# KiCad board RUSP_Mainboard.kicad_pcb
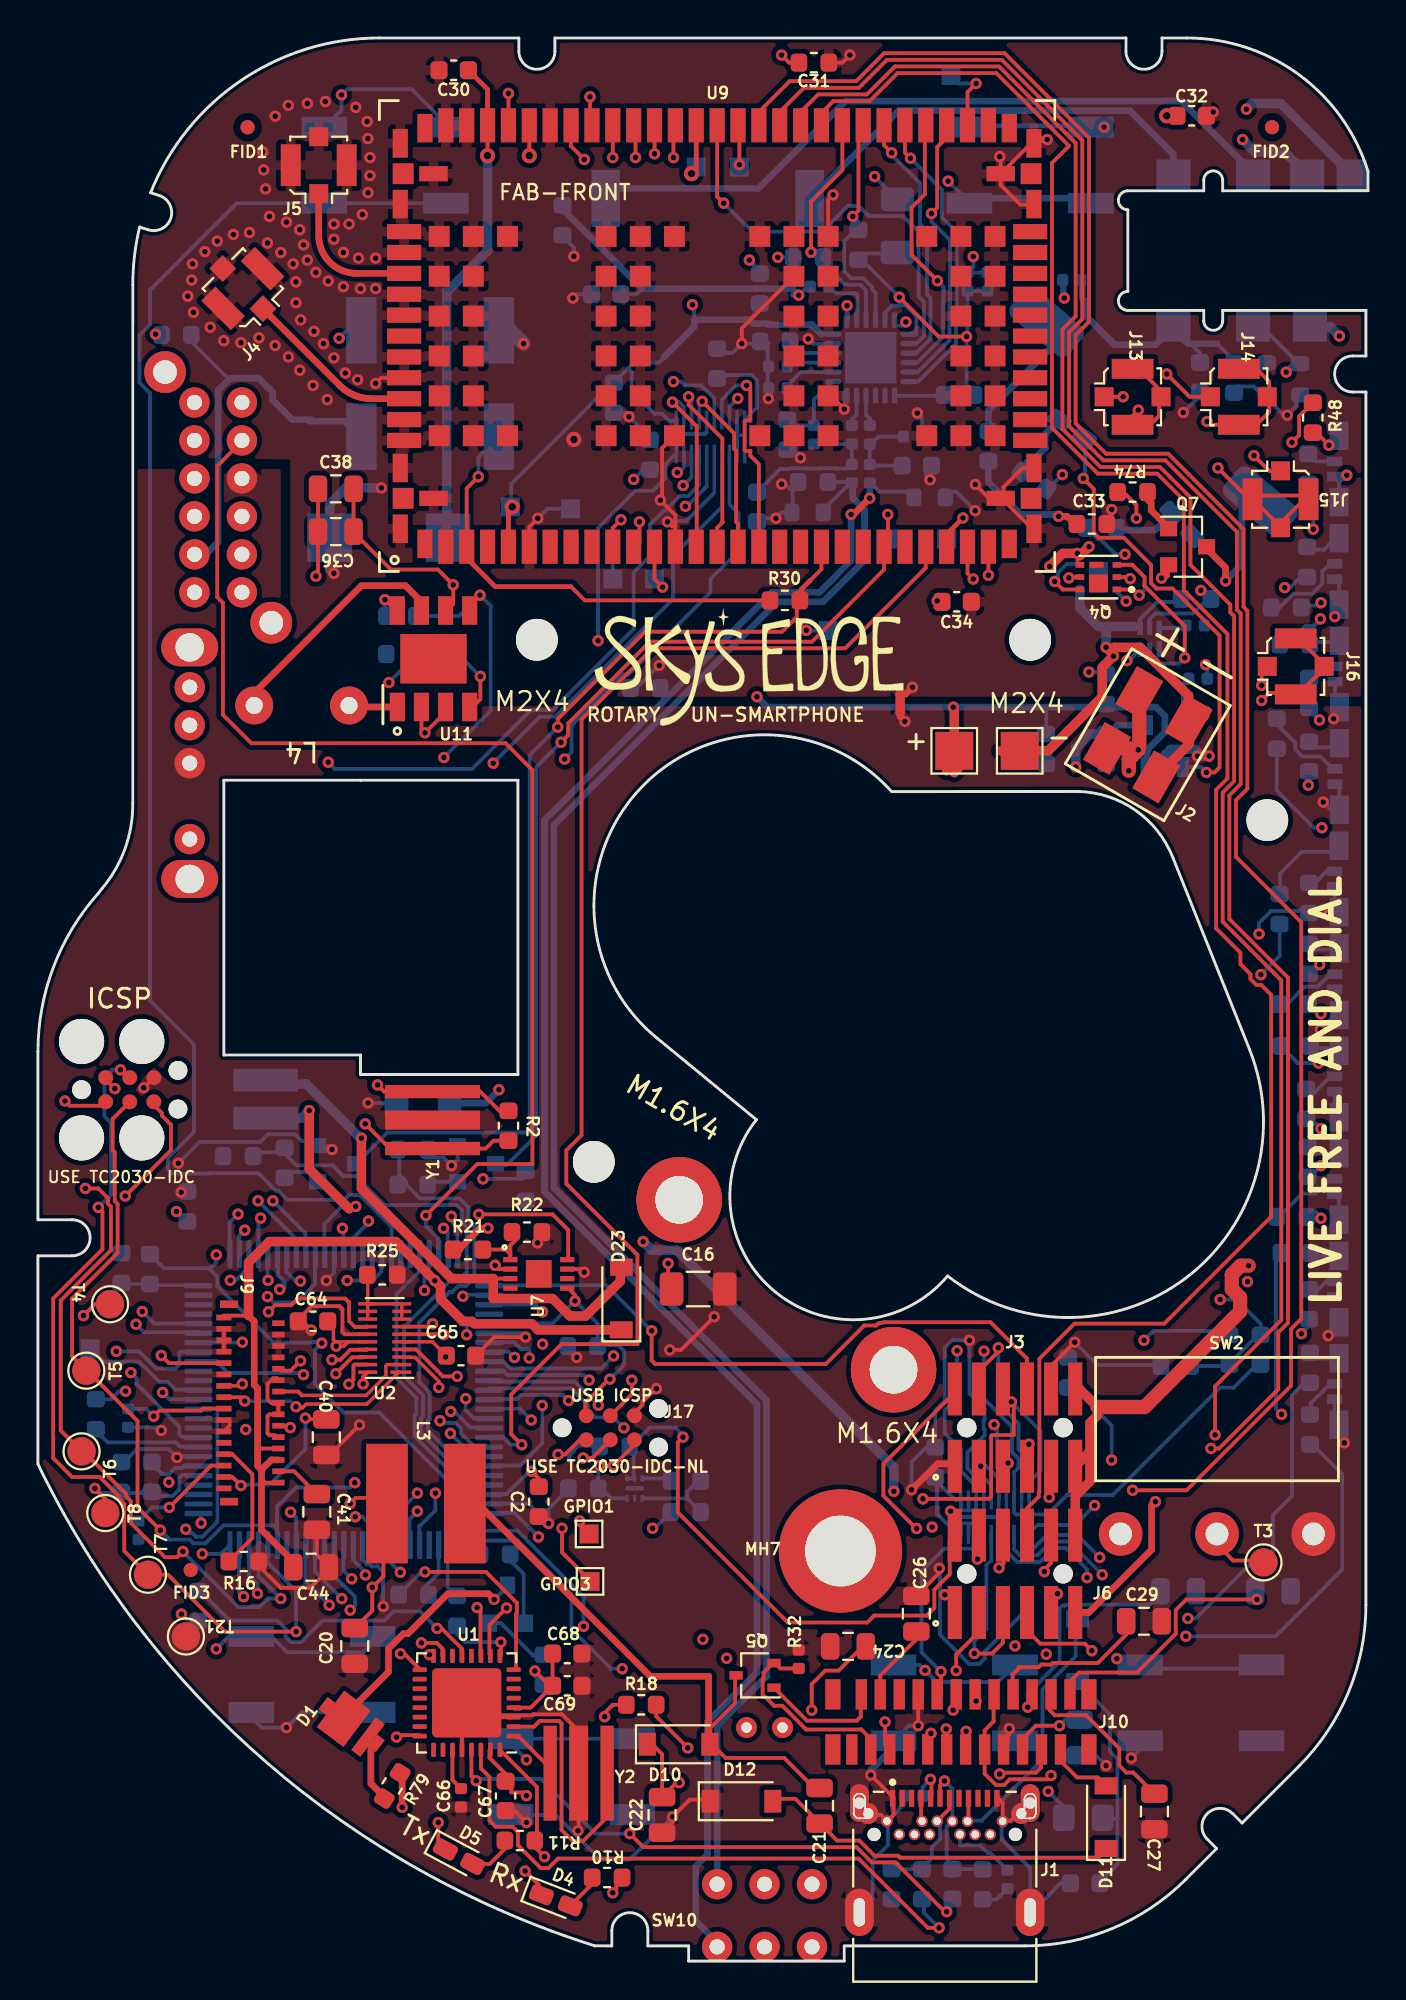
[diagram p0: board, top side]
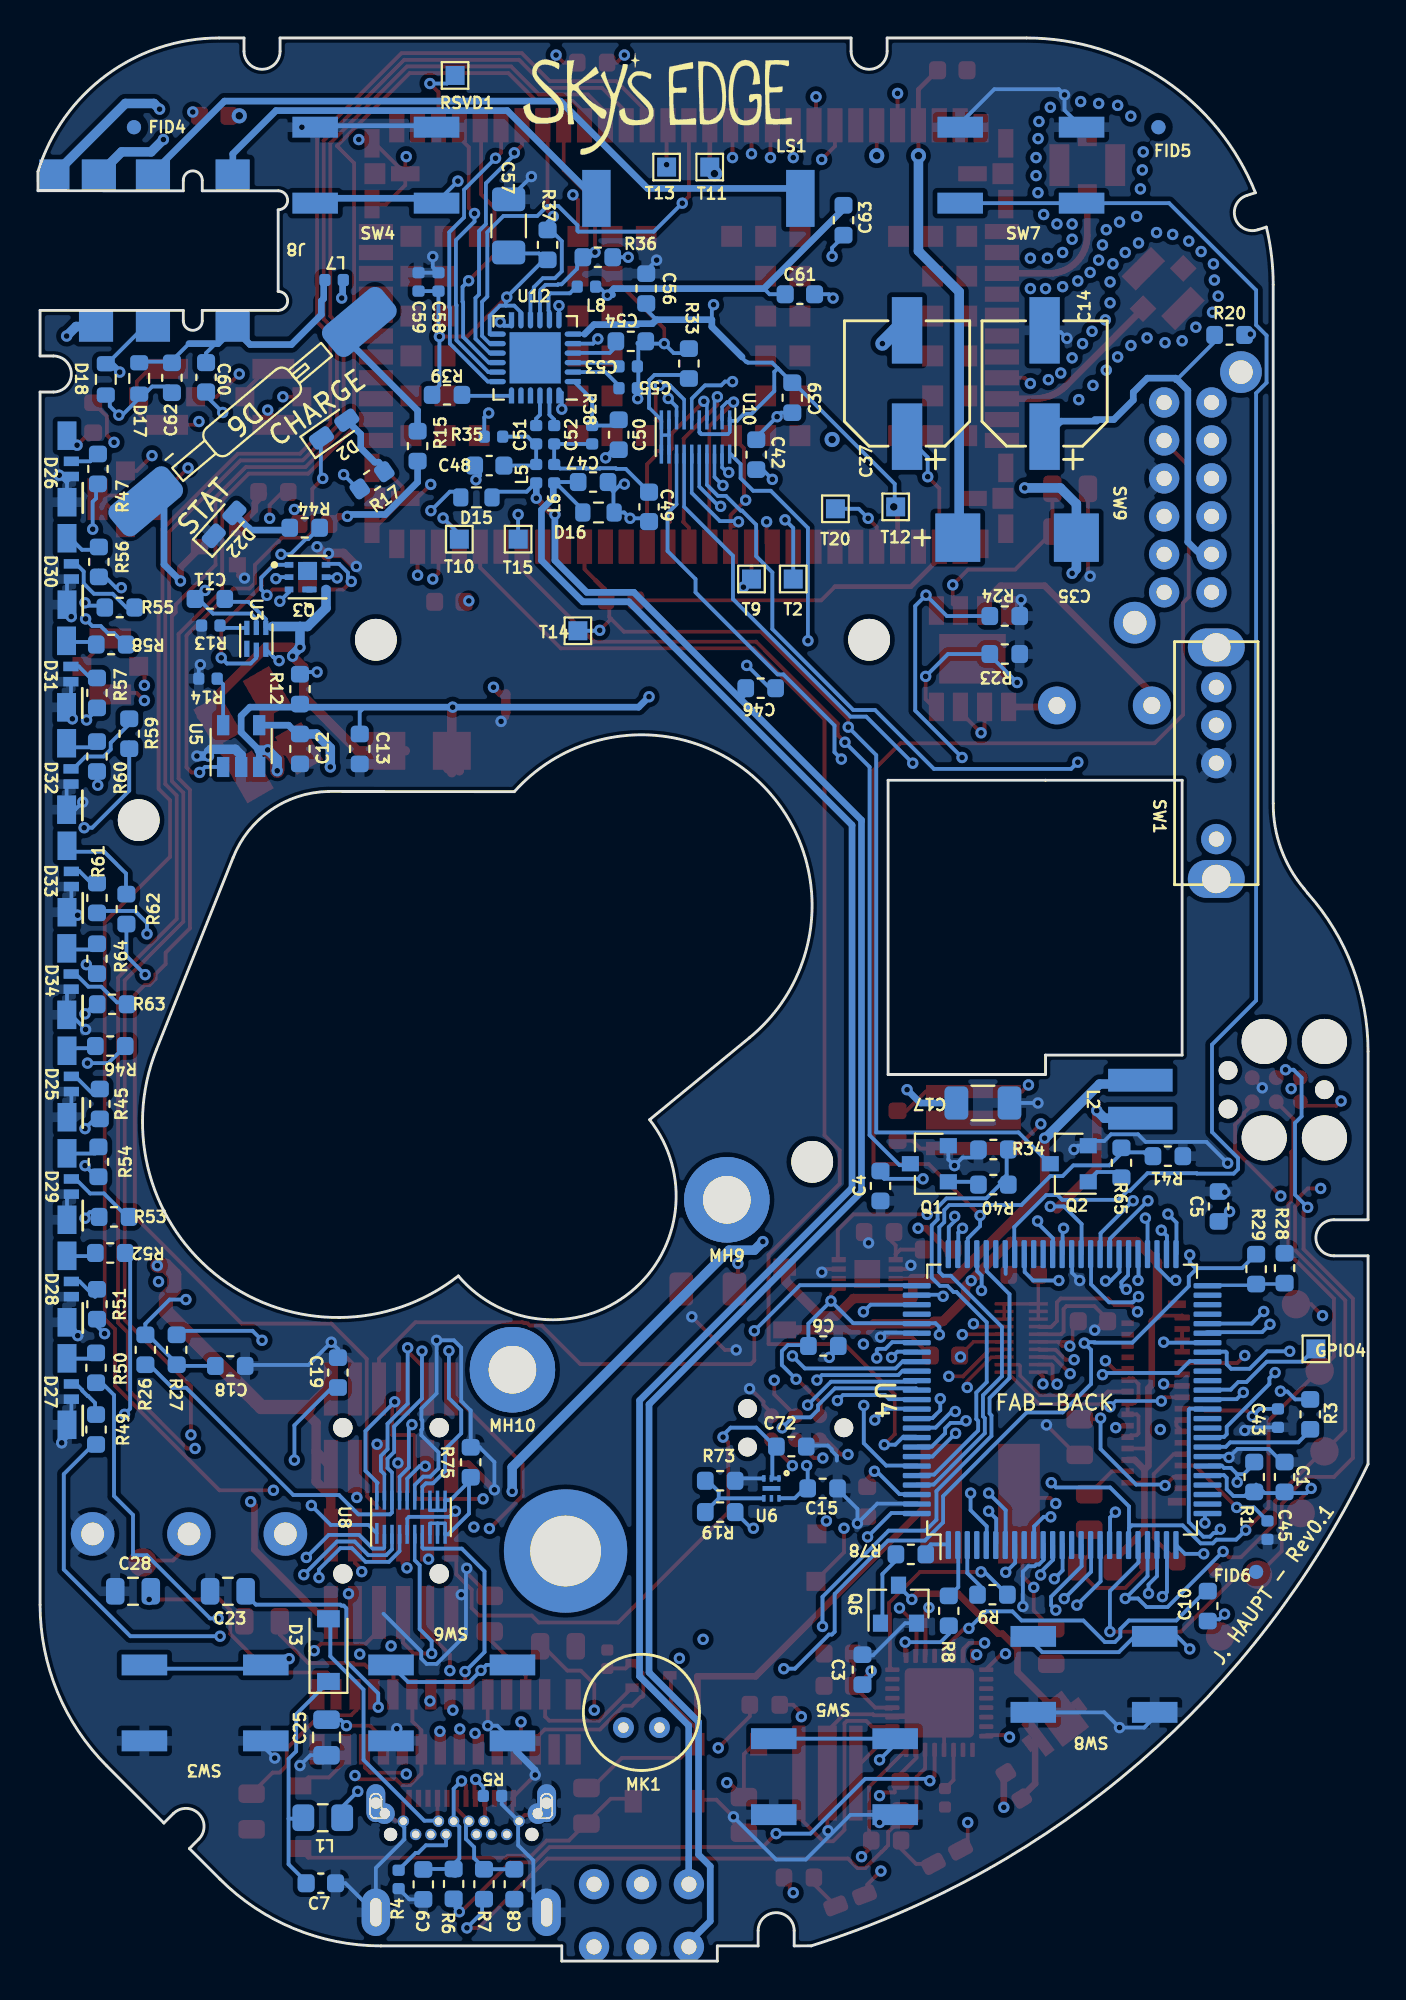
[diagram p1: board, bottom side, seen from below]

Outline 70.11 x 101.3 mm; copper layers: L1_GND+GNDA.Cu, L2_3v3+GNDA.Cu, L3_3v8+GNDA.Cu, L4_GND.Cu, L5_3v8.Cu, L6_GND.Cu. Coordinates in mm from the lower left corner of the outline.
Outline path: 5.36,91.34 arc(5.09,89.83) 5,88.3 5,60.98 arc(4.59,58.59) 3.38,56.5 3.17,56.23 arc(0.82,52.36) 0,47.91 0,39.05 1.8,39.05 arc(2.75,38.1) 1.8,37.15 0,37.15 0,26.18 arc(12.05,10.46) 29.35,0.8 30.25,0.8 30.25,1.6 arc(31.2,2.55) 32.15,1.6 32.15,0.8 34.3,0.8 34.3,0 42.5,0 42.5,0.8 52.03,0.8 arc(56.62,1.71) 60.52,4.31 62.13,5.93 61.63,6.43 arc(61.63,7.77) 62.97,7.77 63.47,7.27 66.48,10.29 arc(69.09,14.18) 70,18.77 70,82.65 69.3,82.65 arc(68.35,83.6) 69.3,84.55 70,84.55 70,86.95 62.45,86.95 62.45,86.4 arc(61.95,85.9) 61.45,86.4 61.45,86.95 57.45,86.95 arc(56.95,87.45) 57.45,87.95 57.45,92.25 arc(56.95,92.75) 57.45,93.25 61.45,93.25 61.45,93.8 arc(61.95,94.3) 62.45,93.8 62.45,93.25 70.11,93.25 70.11,94.26 arc(66.49,99.35) 60.56,101.3 59.25,101.3 59.25,100.6 arc(58.3,99.65) 57.35,100.6 57.35,101.3 27.25,101.3 27.25,100.6 arc(26.3,99.65) 25.35,100.6 25.35,101.3 18,101.3 arc(10.72,99.07) 5.94,93.15 6.39,93 arc(7,91.81) 5.81,91.19 5.36,91.34 ; 9.8,47.72 9.8,62.2 25.3,62.2 25.3,46.7 17,46.7 17,47.72 9.8,47.72 ; 32.61,48.64 arc(31.8,61.81) 45,61.6 54.8,61.61 arc(57.84,60.63) 59.83,58.12 63.86,48.02 arc(60.48,35.96) 47.95,36.09 arc(38.86,35.25) 37.87,44.32 32.61,48.64
Stack: L1_GND+GNDA.Cu 0.035mm / dielectric 0.274mm FR4 er 4.5 / L2_3v3+GNDA.Cu 0.035mm / dielectric 0.274mm FR4 er 4.5 / L3_3v8+GNDA.Cu 0.035mm / dielectric 0.274mm FR4 er 4.5 / L4_GND.Cu 0.035mm / dielectric 0.274mm FR4 er 4.5 / L5_3v8.Cu 0.035mm / dielectric 0.274mm FR4 er 4.5 / L6_GND.Cu 0.035mm

## Placement (name value [footprint] x y rotation side)
C1  27pF  [C_0603_1608Metric]  4.4 25.5 90 bottom
C2  .1uF  [C_0603_1608Metric]  26.4 24.2 270 top
C3  .1uF  [C_0603_1608Metric]  26.65 15.35 90 bottom
C4  .1uF  [C_0603_1608Metric]  25.7 40.83 270 bottom
C5  .1uF  [C_0603_1608Metric]  7.88 39.75 90 bottom
C6  .1uF  [C_0603_1608Metric]  28.71 32.4 180 bottom
C7  10nF  [C_0603_1608Metric]  55.2 4.1 180 bottom
C8  47pF  [C_0603_1608Metric]  45 4.05 270 bottom
C9  47pF  [C_0603_1608Metric]  49.8 4.04 270 bottom
C10  .1uF  [C_0603_1608Metric]  8.45 18.7 270 bottom
C11  .1uF  [C_0603_1608Metric]  61.05 71.75 180 bottom
C12  4.7uF  [C_0603_1608Metric]  56.3 63.85 270 bottom
C13  4.7uF  [C_0603_1608Metric]  53.15 63.85 90 bottom
C14  100uF/10V  [Capacitor_Wurth865080243007]  17.05 83.1 270 bottom
C15  2.2uF LOW-ESR CER.  [C_0603_1608Metric]  28.75 24.9 0 bottom
C16  10uF/35V  [R_1206_3216Metric]  34.8 35.4 0 top
C17  10uF/35V  [R_1206_3216Metric]  20.3 45.2 180 bottom
C18  .1uF  [C_0603_1608Metric]  59.98 31.35 180 bottom
C19  .1uF  [C_0603_1608Metric]  54.3 31 90 bottom
C20  4.7uF/25V  [C_0805_2012Metric]  16.7 16.6 90 top
C21  4.7uF/25V  [C_0805_2012Metric]  41.2 8.18 90 top
C22  4.7uF/25V  [C_0805_2012Metric]  32.9 7.7 90 top
C23  1uF/50V  [C_0805_2012Metric]  60.1 19.48 0 bottom
C24  1uF/50V  [C_0805_2012Metric]  42.7 16.58 180 top
C25  1uF/50V  [C_0805_2012Metric]  54.9 11.78 270 bottom
C26  1uF/50V  [C_0805_2012Metric]  46.3 18.3 90 top
C27  1uF/50V  [C_0805_2012Metric]  58.85 7.88 270 top
C28  1uF/50V  [C_0805_2012Metric]  65.1 19.48 0 bottom
C29  1uF/50V  [C_0805_2012Metric]  58.3 17.9 0 top
C30  68pF/50V  [C_0603_1608Metric]  21.92 99.6 180 top
C31  15pF/50V  [C_0603_1608Metric]  40.9 100 0 top
C32  8.2pF/50V  [C_0603_1608Metric]  60.81 97.2 0 top
C33  10nF/16V  [C_0603_1608Metric]  55.55 75.7 0 top
C34  .1uF  [C_0603_1608Metric]  48.42 71.6 0 top
C35  330uF/6.3V TANTALUM 45mR  [C_2917]  18.5 74.98 180 bottom
C36  1uF/16V  [C_0805_2012Metric]  15.7 75.3 180 top
C37  100uF/10V  [Capacitor_Wurth865080243007]  24.3 83.1 270 bottom
C38  1uF/16V  [C_0805_2012Metric]  15.7 77.55 0 top
C39  .1uF  [C_0603_1608Metric]  30.35 82.35 270 bottom
C40  1uF/16V  [C_0805_2012Metric]  15.2 27.6 270 top
C41  4.7uF/25V  [C_0805_2012Metric]  14.7 23.66 270 top
C42  .1uF  [C_0603_1608Metric]  32.25 79.35 90 bottom
C43  1uF  [C_0402_1005Metric]  4.75 28.6 90 bottom
C44  4.7uF/25V  [C_0805_2012Metric]  14.4 20.75 0 top
C45  1uF  [C_0402_1005Metric]  5.3 22.7 90 bottom
C46  27pF  [C_0603_1608Metric]  32.02 67.05 180 bottom
C47  27pF  [C_0603_1608Metric]  40.85 77.91 180 bottom
C48  10nF  [C_0603_1608Metric]  46.33 78.77 0 bottom
C49  10nF  [C_0603_1608Metric]  37.9 76.6 270 bottom
C50  2.2uF LOW-ESR CER.  [C_0603_1608Metric]  39.5 80.4 270 bottom
C51  1uF  [C_0402_1005Metric]  43.85 80.4 270 bottom
C52  1uF  [C_0402_1005Metric]  42.9 80.4 270 bottom
C53  1uF  [C_0402_1005Metric]  39 84 180 bottom
C54  2.2uF LOW-ESR CER.  [C_0603_1608Metric]  38.86 85.32 180 bottom
C55  1uF  [C_0402_1005Metric]  39 82.85 180 bottom
C56  .1uF  [C_0603_1608Metric]  38.05 88.1 90 bottom
C57  10uF/35V  [R_1206_3216Metric]  45.3 91.4 90 bottom
C58  1uF  [C_0402_1005Metric]  49 88.45 90 bottom
C59  1uF  [C_0402_1005Metric]  50.05 88.45 90 bottom
C60  10nF  [C_0603_1608Metric]  61.25 83.42 270 bottom
C61  10nF  [C_0603_1608Metric]  29.95 87.8 180 bottom
C62  27pF  [C_0603_1608Metric]  63.05 83.4 270 bottom
C63  27pF  [C_0603_1608Metric]  27.65 91.7 270 bottom
C64  .1uF  [C_0603_1608Metric]  14.5 33.7 180 top
C65  .1uF  [C_0603_1608Metric]  22.3 31.89 0 top
C66  1uF  [C_0402_1005Metric]  22.3 8.6 270 top
C67  .1uF  [C_0603_1608Metric]  24.65 8.7 270 top
C68  10nF  [C_0603_1608Metric]  27.9 16.2 0 top
C69  10nF  [C_0603_1608Metric]  27.9 14.5 0 top
C72  2.2uF LOW-ESR CER.  [C_0603_1608Metric]  30.4 27.1 0 bottom
D1  White Bell LED  [Osram_1212]  16.52 12.46 53 top
D2  Amber LED  [LED_0603_1608Metric_Castellated]  54.5 80.7 145 bottom
D3  VBus Protection Schottky  [D_SOD-123]  54.8 16.38 90 bottom
D4  Green LED  [LED_0603_1608Metric_Castellated]  27.3 3.2 339 top
D5  Amber LED  [LED_0603_1608Metric_Castellated]  22.2 5.5 332 top
D6  20mm Filament  [FilamentLED_20mm]  59.3 81.2 140 bottom
D10  MBR0530 Diode for ePaper  [D_SOD-123]  33.77 11.42 0 top
D11  MBR0530 Diode for ePaper  [D_SOD-123]  56.3 7.58 90 top
D12  MBR0530 Diode for ePaper  [D_SOD-123]  37.08 8.42 0 top
D15  TVS/Varistor for Audio Filtering  [R_0603_1608Metric#2]  47 77.1 0 bottom
D16  TVS/Varistor for Audio Filtering  [R_0603_1608Metric#2]  40.57 76.3 180 bottom
D17  TVS/Varistor for Audio Filtering  [R_0603_1608Metric#2]  64.77 83.37 270 bottom
D18  TVS/Varistor for Audio Filtering  [R_0603_1608Metric#2]  66.54 83.32 270 bottom
D22  Status LED  [LED_0603_1608Metric_Castellated]  60.3 75.68 132 bottom
D23  20V 500mA Schottky for 12V Stage  [D_SOD-123]  30.75 34.9 90 top
D25  Red/Yellow Bar Meter LED  [LED_Dialight_5988560207F]  68.35 46.2 90 bottom
D26  Red/Yellow Bar Meter LED  [LED_Dialight_5988560207F]  68.35 78.6 90 bottom
D27  Red/Yellow Bar Meter LED  [LED_Dialight_5988560207F]  68.35 30 90 bottom
D28  Red/Yellow Bar Meter LED  [LED_Dialight_5988560207F]  68.35 35.4 90 bottom
D29  Red/Yellow Bar Meter LED  [LED_Dialight_5988560207F]  68.35 40.8 90 bottom
D30  Red/Yellow Bar Meter LED  [LED_Dialight_5988560207F]  68.35 73.2 90 bottom
D31  Red/Yellow Bar Meter LED  [LED_Dialight_5988560207F]  68.37 67.79 90 bottom
D32  Red/Yellow Bar Meter LED  [LED_Dialight_5988560207F]  68.37 62.4 90 bottom
D33  Red/Yellow Bar Meter LED  [LED_Dialight_5988560207F]  68.35 57 90 bottom
D34  Red/Yellow Bar Meter LED  [LED_Dialight_5988560207F]  68.36 51.59 90 bottom
FID1  Fiducial  [Fiducial_0.75mm_Dia_1.5mm_Outer]  11.05 96.6 0 top
FID2  Fiducial  [Fiducial_0.75mm_Dia_1.5mm_Outer]  65.05 96.6 0 top
FID3  Fiducial  [Fiducial_0.75mm_Dia_1.5mm_Outer]  8.05 20.6 0 top
FID4  Fiducial  [Fiducial_0.75mm_Dia_1.5mm_Outer]  65.05 96.6 0 bottom
FID5  Fiducial  [Fiducial_0.75mm_Dia_1.5mm_Outer]  11.05 96.6 0 bottom
FID6  Fiducial  [Fiducial_0.75mm_Dia_1.5mm_Outer]  5.9 20.5 0 bottom
GPIO1  TestPoint_Alt  [TestPoint_Pad_1.0x1.0mm]  29.05 22.5 0 top
GPIO3  TestPoint_Alt  [TestPoint_Pad_1.0x1.0mm]  29.1 20 0 top
GPIO4  TestPoint_Alt  [TestPoint_Pad_1.0x1.0mm]  2.75 32.25 0 bottom
J1  USB C Receptacle  [USBC_CUI_UJ31-CH-G1-SMT-TR]  47.8 4.07 0 top
J2  Poke-In Battery Connector  [AVX_PokeInConnector]  58.5 64.6 330 top
J3  12p Male Samtec Connector  [Samtec_2x6Header_FTSH-106-01-L-DV]  51.5 28.1 0 top
J4  U.FL  [U.FL_Molex_MCRF_73412-0110_Vertical]  10.8 88.1 45 top
J5  U.FL  [U.FL_Molex_MCRF_73412-0110_Vertical]  14.8 94.6 0 top
J6  12p Male Samtec Connector  [Samtec_2x6Header_FTSH-106-01-L-DV]  51.5 20.4 0 top
J7  Conn_02x03_Counter_Clockwise  [Tag-Connect_TC2030-IDC]  2.3 45.9 0 top
J8  TRRS Jack  [AudioJack_TRRS_CUI_SJ-43617-SMT-TR]  70.05 90.1 180 bottom
J9  FPC Connector for OLED  [Hirose_FPC_FH26W-31S-0.3SHW(60)]  11.1 29.1 270 top
J10  FPC Connector for ePaper  [Molex_24pFPC_Vert_0525592452]  48.4 12.6 0 top
J13  U.FL  [U.FL_Molex_MCRF_73412-0110_Vertical]  57.7 82.4 270 top
J14  U.FL  [U.FL_Molex_MCRF_73412-0110_Vertical]  63.3 82.4 270 top
J15  U.FL  [U.FL_Molex_MCRF_73412-0110_Vertical]  65.5 77 180 top
J16  U.FL  [U.FL_Molex_MCRF_73412-0110_Vertical]  66.3 68.2 270 top
J17  Conn_02x03_Counter_Clockwise  [Tag-Connect_TC2030-IDC_MINIMAL]  30.03 28.09 0 top
L1  Ferrite Bead for VBus  [R_0805_2012Metric_Pad1.15x1.40mm_HandSolder]  55.1 7.55 180 bottom
L2  4.7uH  [Inductor_Wurth_74438336100]  12 45.4 90 bottom
L3  10uH  [Inductor10uH_Wurth_744053100]  20.45 24.1 270 top
L4  Solenoid Inductor  [BournsInductor_RLB9012-472KL]  13.9 66.1 180 top
L5  EMI Ferrite  [L_0402_1005Metric]  43.85 78.35 270 bottom
L6  EMI Ferrite  [L_0402_1005Metric]  42.9 78.35 270 bottom
L7  EMI Ferrite  [L_0402_1005Metric]  54.5 88.55 180 bottom
L8  EMI Ferrite  [L_0402_1005Metric]  41.2 88.2 0 bottom
LOGO1  Logo1  [SkysEdge_21mm]  37.6 69.05 0 top
LOGO2  Logo2  [SkysEdge_18mm]  37.35 98.6 180 bottom
LS1  Speaker (DNP)  [Speaker_PUI_AR01232MS-SC12-WP-R]  35.3 95.1 180 bottom
MH1  MountingHole  [MountingHole_2.2mm_M2]  26.3 69.6 0 top
MH3  MountingHole  [MountingHole_2.2mm_M2]  29.3 42.1 0 top
MH4  MountingHole  [MountingHole_2.2mm_M2]  52.3 69.6 0 top
MH7  M2 SMT Nut  [SMTSO-M2-3ET]  42.3 21.6 0 top
MH8  MountingHole  [MountingHole_2.2mm_M2]  64.8 60.1 0 top
MH9  M1.6 SMT Nut  [SMTSO-M1.6-1ET]  33.8 40.15 0 bottom
MH10  M1.6 SMT Nut  [SMTSO-M1.6-1ET]  45.1 31.2 0 bottom
MK1  2k2 Electret Mic  [Microphone_PUI_POM-2738P-R]  38.3 13.1 0 bottom
NT2  Net-Tie_2  [NetTie-2_SMD_Pad0.5mm]  45.45 66.25 90 top
Q1  DMG2302UK-7  [SOT-23]  23.12 42 0 bottom
Q2  DMG2302UK-7  [SOT-23]  15.75 42 0 bottom
Q3  CSD16301Q2  [TI_CSD16301Q2]  55.9 72.9 180 bottom
Q4  CSD16301Q2  [TI_CSD16301Q2]  55.9 72.9 180 top
Q5  N-MOSFET 30V 1.4A  [SOT-323_SC-70]  37.8 15.05 180 top
Q6  MMBT3904  [SOT-23]  24.75 18.8 90 bottom
Q7  MMBT3904  [SOT-23]  60.6 74.5 0 top
R1  10k  [R_0603_1608Metric]  6 25.5 90 bottom
R2  1M  [R_0603_1608Metric]  24.8 44 270 top
R3  27R  [R_0603_1608Metric]  3.05 28.8 270 bottom
R4  5k1  [R_0402_1005Metric]  51.1 4.3 270 bottom
R5  5k1  [R_0402_1005Metric]  46.15 8.7 180 bottom
R6  27R  [R_0603_1608Metric]  48.2 4.06 90 bottom
R7  27R  [R_0603_1608Metric]  46.6 4.05 90 bottom
R8  1k  [R_0603_1608Metric]  22.1 18.45 90 bottom
R9  1k  [R_0603_1608Metric]  19.8 19.3 180 bottom
R10  1k  [R_0603_1608Metric]  30 4.4 180 top
R11  1k  [R_0603_1608Metric]  25.4 6.35 180 top
R12  330R  [R_0603_1608Metric]  56.3 67 90 bottom
R13  2k2  [R_0402_1005Metric]  61 70.35 180 bottom
R14  2k2  [R_0402_1005Metric]  61.15 67.55 180 bottom
R15  10R  [R_0603_1608Metric]  50.1 79.8 270 bottom
R16  510k  [R_0603_1608Metric]  10.85 21.05 0 top
R17  1k5  [R_0603_1608Metric]  52.5 78 325 bottom
R18  10k  [R_0603_1608Metric]  31.8 13.5 0 top
R19  100R  [R_0603_1608Metric]  34.15 23.65 180 bottom
R20  100R  [R_0603_1608Metric]  7.3 85.66 0 bottom
R21  1.05M  [R_0603_1608Metric]  22.67 37.48 0 top
R22  120k  [R_0603_1608Metric]  25.77 38.4 0 top
R23  1M  [R_0603_1608Metric]  19.15 68.85 180 bottom
R24  1M  [R_0603_1608Metric]  19.15 70.85 180 bottom
R25  10k  [R_0603_1608Metric]  18.15 36.15 0 top
R26  100k  [R_0603_1608Metric]  64.45 32.2 270 bottom
R27  100k  [R_0603_1608Metric]  62.8 32.2 90 bottom
R28  10k  [R_0603_1608Metric]  4.4 36.5 90 bottom
R29  1k  [R_0603_1608Metric]  5.9 36.45 90 bottom
R30  100k  [R_0603_1608Metric]  39.37 71.67 0 top
R32  0.47R  [R_0402_1005Metric]  40.1 15.9 90 top
R33  10k  [R_0603_1608Metric]  35.8 84.15 90 bottom
R34  1M  [R_0603_1608Metric]  19.75 42.75 0 bottom
R35  2k2  [R_0402_1005Metric]  46.1 80.3 0 bottom
R36  4k7  [R_0603_1608Metric]  40.6 89.75 0 bottom
R37  4k7  [R_0603_1608Metric]  43.25 90.4 90 bottom
R38  2k2  [R_0402_1005Metric]  40.9 80.4 90 bottom
R39  10k  [R_0603_1608Metric]  48.55 82.5 180 bottom
R40  100R  [R_0603_1608Metric]  19.75 40.9 180 bottom
R41  1M  [R_0603_1608Metric]  10.55 42.4 180 bottom
R44  160R (100R for LTST-C191TBKT)  [R_0603_1608Metric]  56.05 75.5 180 bottom
R45  1k5  [R_0603_1608Metric]  66.85 45.15 270 bottom
R46  1k5  [R_0603_1608Metric]  66.3 48.2 180 bottom
R47  1k5  [R_0603_1608Metric]  66.95 78.6 270 bottom
R48  1k5  [R_0603_1608Metric]  67.2 81.3 90 top
R49  1k5  [R_0603_1608Metric]  67.05 28 270 bottom
R50  1k5  [R_0603_1608Metric]  67.05 31.25 270 bottom
R51  1k5  [R_0603_1608Metric]  67 34.6 270 bottom
R52  1k5  [R_0603_1608Metric]  66.3 37.3 180 bottom
R53  1k5  [R_0603_1608Metric]  66.1 39.2 0 bottom
R54  1k5  [R_0603_1608Metric]  66.92 42.1 270 bottom
R55  1k5  [R_0603_1608Metric]  65.8 71.3 0 bottom
R56  1k5  [R_0603_1608Metric]  66.9 73.7 270 bottom
R57  1k5  [R_0603_1608Metric]  67 66.8 270 bottom
R58  1k5  [R_0603_1608Metric]  66.25 69.35 180 bottom
R59  1k5  [R_0603_1608Metric]  65.3 64.65 270 bottom
R60  1k5  [R_0603_1608Metric]  67 63.45 270 bottom
R61  1k5  [R_0603_1608Metric]  67 56 270 bottom
R62  1k5  [R_0603_1608Metric]  65.45 55.41 270 bottom
R63  1k5  [R_0603_1608Metric]  66.2 50.4 0 bottom
R64  1k5  [R_0603_1608Metric]  67 52.8 270 bottom
R65  100R  [R_0603_1608Metric]  13 42.05 90 bottom
R73  1M  [R_0603_1608Metric]  34.15 25.3 0 bottom
R74  1k  [R_0603_1608Metric]  57.7 77.38 180 top
R75  10k  [R_0603_1608Metric]  47.3 26.28 90 bottom
R78  1k  [R_0603_1608Metric]  24.1 21.42 180 bottom
R79  18R  [R_0603_1608Metric]  18.67 9.23 58 top
RSVD1  TestPoint_Alt  [TestPoint_Pad_1.0x1.0mm]  48.12 99.32 0 bottom
SW1  Mode Switch SP3T  [SP3T_OS103011MA7QP1]  8 63.1 90 bottom
SW2  Roller Switch for Rotary Dial  [LimitSwitch_D2F-01FL2-A1]  62.15 26.8 0 top
SW3  Tactile Switch  [TactileSwitch_Panasonic_EVQ-Q2Y03W]  61.3 13.6 180 bottom
SW4  Tactile Switch  [TactileSwitch_Panasonic_EVQ-Q2Y03W]  52.3 94.6 0 bottom
SW5  Tactile Switch  [TactileSwitch_Panasonic_EVQ-Q2Y03W]  28.13 9.71 180 bottom
SW6  Tactile Switch  [TactileSwitch_Panasonic_EVQ-Q2Y03W]  48.3 13.6 180 bottom
SW7  Tactile Switch  [TactileSwitch_Panasonic_EVQ-Q2Y03W]  18.3 94.6 0 bottom
SW8  Tactile Switch  [TactileSwitch_Panasonic_EVQ-Q2Y03W]  14.45 15.1 180 bottom
SW9  Power Switch 4P2T  [Switch_4PDT_ESwitch-EG4208]  9.5 77.1 270 bottom
SW10  Mic Switch DPDT  [Switch_DPDT_Nidec_CL-SB-22C-XX]  38.3 2.4 0 top
T2  TestPoint_Alt  [TestPoint_Pad_1.0x1.0mm]  30.3 72.8 0 bottom
T3  TestPoint_Alt  [TestPoint_Pad_D1.5mm]  64.6 21 0 top
T4  TestPoint_Alt  [TestPoint_Pad_D1.5mm]  3.8 34.6 270 top
T5  TestPoint_Alt  [TestPoint_Pad_D1.5mm]  2.55 31.1 90 top
T6  TestPoint_Alt  [TestPoint_Pad_D1.5mm]  2.3 26.85 90 top
T7  TestPoint_Alt  [TestPoint_Pad_D1.5mm]  5.8 20.35 90 top
T8  TestPoint_Alt  [TestPoint_Pad_D1.5mm]  3.55 23.6 90 top
T9  TestPoint_Alt  [TestPoint_Pad_1.0x1.0mm]  32.5 72.8 0 bottom
T10  TestPoint_Alt  [TestPoint_Pad_1.0x1.0mm]  47.9 74.9 0 bottom
T11  TestPoint_Alt  [TestPoint_Pad_1.0x1.0mm]  34.7 94.5 0 bottom
T12  TestPoint_Alt  [TestPoint_Pad_1.0x1.0mm]  24.9 76.6 0 bottom
T13  TestPoint_Alt  [TestPoint_Pad_1.0x1.0mm]  36.98 94.5 0 bottom
T14  TestPoint_Alt  [TestPoint_Pad_1.0x1.0mm]  41.65 70.07 0 bottom
T15  TestPoint_Alt  [TestPoint_Pad_1.0x1.0mm]  44.8 74.9 0 bottom
T20  TestPoint_Alt  [TestPoint_Pad_1.0x1.0mm]  28.08 76.5 0 bottom
T21  TestPoint_Alt  [TestPoint_Pad_D1.5mm]  7.8 17.1 180 top
TP1  TestPoint  [TestPoint_Pad_2.0x2.0mm]  51.75 63.75 0 top
TP2  TestPoint  [TestPoint_Pad_2.0x2.0mm]  48.3 63.75 0 top
U1  ATmega16U2-MU as USB Bridge  [QFN-32-1EP_5x5mm_P0.5mm_EP3.65x3.65mm]  22.6 13.6 180 top
U2  Logic Shifter  [TXB0108_USON-20_2x4mm_P0.4mm]  18.28 32.82 180 top
U3  LiPo Undervolt Protection IC  [WSON-6_1.5x1.5mm_P0.5mm]  58.6 69.65 90 bottom
U4  ATmega2560V-8AU  [ATmega2560_TQFP-100_14x14mm_P0.5mm]  16.12 29.57 90 bottom
U5  Charge Mgmt. IC  [SOT-23-5]  59.4 64 90 bottom
U6  3.3V Linear Regulator  [LDO_MIC5528]  31.45 24.9 0 bottom
U7  12V Boost Converter  [BoostConverter_MCP1661]  26.4 36.2 270 top
U8  Logic Shifter  [TXB0108_USON-20_2x4mm_P0.4mm]  50.45 23.38 90 bottom
U9  TOBY-R2  [CellModule_TOBY-L2]  35.8 85.6 0 top
U10  Logic Shifter  [TXB0108_USON-20_2x4mm_P0.4mm]  35.45 80.28 270 bottom
U11  Driver for Bell Coil  [SO-8EP]  20.85 68.6 0 top
U12  MAX9860 CODEC  [WQFN-24-1EP_4x4mm_P0.5mm_EP2.7x2.7mm]  43.9 84.45 0 bottom
Y1  8MHz Resonator  [AWSCR-16.00CV-T]  20.8 44.3 90 top
Y2  16MHz Resonator  [AWSCR-16.00CV-T]  28.5 9.9 0 top

## Library data of the parts
C2-C6 C10 = -: Distrib Part No.: 1276-1000-1-ND; Distrib. Name: Digi-Key; Label: 50V
C8 C9 = -: Distrib Part No.: 399-7918-1-ND; Distrib. Name: Digi-Key
C12 C13 = -: Mfg. Name: Samsung; Mfg. Part No.: CL10A475KQ8NNNC
C14 = -: Field8: CHRG. CAP.; Mfg. Name: Wurth; Mfg. Part No.: 865080243007
C15 C72 = -: Notes: X5R or X7R
C16 C17 C57 = -: Mfg. Name: TDK; Mfg. Part No.: CGA5L1X7R1V106K160AC
C20-C22 = -: Mfg. Name: Samsung; Mfg. Part No.: CL21A475KBQNNNE
C23-C29 = -: Mfg. Name: Yageo; Mfg. Part No.: CC0805KKX7R9BB105
C30 = -: Mfg. Name: Murata; Mfg. Part No.: GRM1555C1H680JA01J
C32 = -: Mfg. Name: Yageo; Mfg. Part No.: CC0402DRNPO9BN8R2
C35 = -: Mfg. Name: Kemet; Mfg. Part No.: T520D337M006ATE045
C36 C38 C40 = -: Mfg. Name: Kemet; Mfg. Part No.: C0805C105K4RACTU
C37 = -: Mfg. Name: Wurth; Mfg. Part No.: 865080243007
C41 C44 = -: Mfg. Name: Kemet; Mfg. Part No.: C0805C475K3PACTU
C43 C45 C51-C53 C55 C58 C59 C66 = -: Mfg. Name: Kemet; Mfg. Part No.: C0402C105K9PACTU
C50 C54 = -: Mfg. Name: Kemet; Mfg. Part No.: C0603C225K9PACTU
D1 = -: Color: WHITE; Mfg. Name: Osram; Mfg. Part No.: KW DSLP31.CC-GXHX-4J8K-Z444-60-R18
D2 = -: Color: AMBER; Distrib Part No.: 1830-1066-1-ND; Distrib. Name: DigiKey; Mfg. Name: Inolux; Mfg. Part No.: IN-S63AT5Y
D3 = -: Distrib Part No.: MBR130T3GOSCT-ND; Distrib. Name: DigiKey; Mfg. Name: ON Semiconductor; Mfg. Part No.: MBR130T3G
D4 = -: Color: Rx/GREEN; Distrib Part No.: 475-3442-1-ND‎; Distrib. Name: DigiKey; Mfg. Name: OSRAM; Mfg. Part No.: LT Q39G-Q1OO-25-1
D5 = -: Color: Tx/YELLOW; Distrib Part No.: 1830-1066-1-ND‎; Distrib. Name: DigiKey; Mfg. Name: Inolux; Mfg. Part No.: IN-S63AT5Y
D6 = -: Color: WHITE
D10-D12 = -: Mfg. Name: ON Semi; Mfg. Part No.: MBR0530
D15-D18 = -: Mfg. Name: AVX; Mfg. Part No.: USB0001DP
D22 = -: Alt. Part No.: LTST-C191TBKT; Color: TEAL; Mfg. Name: Rohm; Mfg. Part No.: SMLE13EC8TT86
D23 = -: Mfg. Name: Nexperia; Mfg. Part No.: PMEG2005EGWJ
D25-D34 = -: Mfg. Name: Dialight; Mfg. Part No.: 5988560207F
J1 = -: Mfg. Name: CUI; Mfg. Part No.: UJ31-CH-G1-SMT-TR
J2 = -: Mfg. Name: AVX; Mfg. Part No.: 009296002202906
J3 J6 = -: Mfg. Name: Samtec; Mfg. Part No.: FTSH-106-01-L-DV
J4 J5 J13-J16 = -: Mfg. Name: Molex; Mfg. Part No.: 0734120110
J7 J17 = -: Label: ICSP; Mfg. Name: Tag-Connect; Mfg. Part No.: Mating Connector: TC2030-IDC
J8 = -: Label: TRRS JACK; Mfg. Name: CUI; Mfg. Part No.: SJ-43617-SMT-TR
J9 = -: Alt. Mfg. Name: or Hirose; Alt. Mfg. Par No.: FH26W-31S-0.3SHW(60); Mfg. Name: Crystalfontz; Mfg. Part No.: CS030Z31G-A0
J10 = -: Mfg. Name: Molex; Mfg. Part No.: 0525592452
L1 = -: Distrib Part No.: 240-2390-1-ND; Distrib. Name: DigiKey; Label: Ferrite Bead; Mfg. Name: Laird; Mfg. Part No.: MI0805K601R-10
L2 = -: Mfg. Name: Wurth; Mfg. Part No.: 74438336047
L3 = -: Mfg. Name: Wurth; Mfg. Part No.: 744053100
L4 = -: Mfg. Name: Bourns; Mfg. Part No.: RLB9012-472KL
L5-L8 = -: Mfg. Name: Murata; Mfg. Part No.: BLM15HD182SN1D
LS1 = -: Mfg. Name: PUI Audio; Mfg. Part No.: AR01232MS-SC12-WP-R
MH7 = -: Mfg. Name: PEM; Mfg. Part No.: SMTSO-M2-3ET
MH9 MH10 = -: Mfg. Name: PEM; Mfg. Part No.: SMTSO-M1.6-1ET
MK1 = -: Mfg. Name: PUI Audio; Mfg. Part No.: POM-2738P-R
Q1 Q2 = -: Mfg. Name: Diodes Incorporated; Mfg. Part No.: DMG2302UK-7